# Altium PCB HYDRA_V3_LINK_V2.PcbDoc (part 1 of 2) (continued)
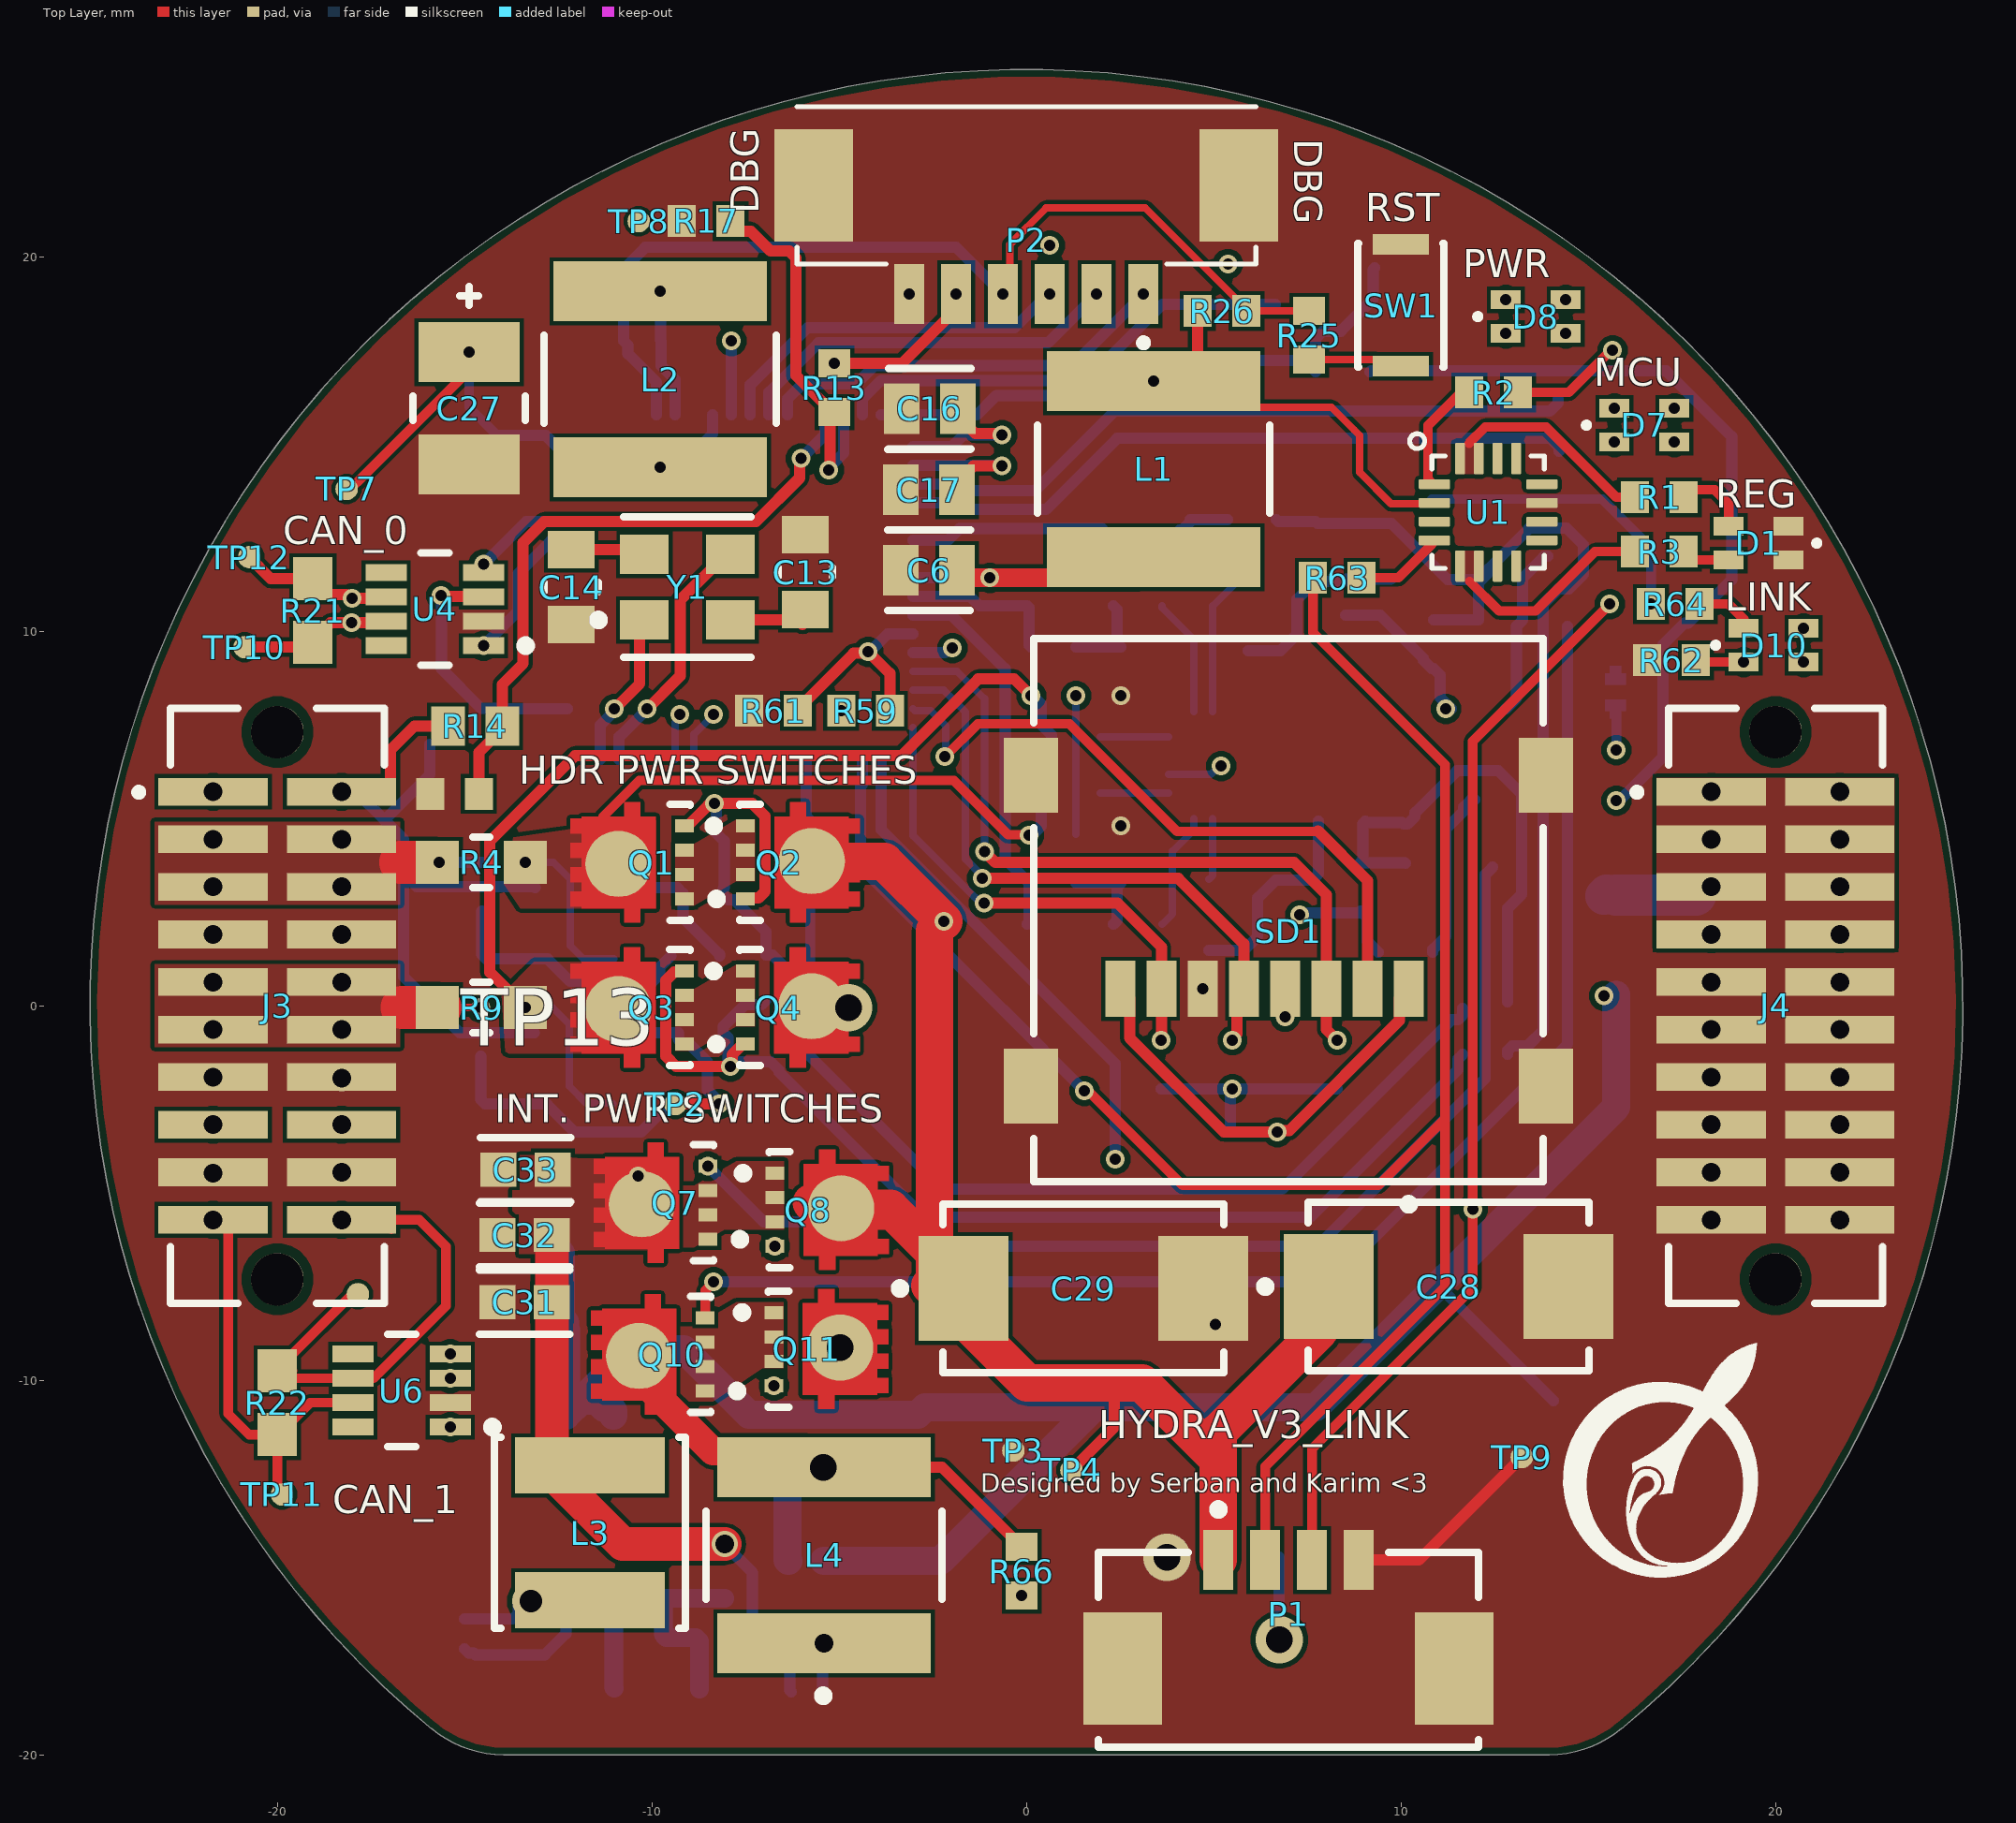
[diagram p0: Top Layer view]
## Components (designator, comment, footprint, x,y, rotation, side; value= is the part's Value field where it differs from the comment)
C1 "C0402C104K8PACTU" FP-C0402-BB-MFG -14.825,1.25 r180 bottom value="0.10 μF"
C2 "C0402C104K8PACTU" FP-C0402-BB-MFG -14.85,-2.625 r180 bottom value="0.10 μF"
C3 "C0402C104K8PACTU" FP-C0402-BB-MFG -7.875,18.15 r90 bottom value="0.10 μF"
C4 "GRM155R60J475ME47D" FP-GRM155-0_1-IPC_B -9.35,19.075 r180 bottom
C5 "C0402C104K8PACTU" FP-C0402-BB-MFG -9.35,17.75 r0 bottom value="0.10 μF"
C6 "C0805C106K8PACTU" FP-C0805C-DG-MFG -2.6,11.625 r180 top value=10uF
C7 "C0402C104K8PACTU" FP-C0402-BB-MFG -14.125,14.825 r270 bottom value="0.10 μF"
C8 "C0402C104K8PACTU" FP-C0402-BB-MFG -16.025,10.95 r0 bottom value="0.10 μF"
C9 "C0402C104K8PACTU" FP-C0402-BB-MFG -0.975,11.825 r90 bottom value="0.10 μF"
C10 "C0402C104K8PACTU" FP-C0402-BB-MFG -16.025,-10.275 r0 bottom value="0.10 μF"
C11 "C0402C104K8PACTU" FP-C0402-BB-MFG -14.125,7.525 r270 bottom value="0.10 μF"
C12 "C0402C104K8PACTU" FP-C0402-BB-MFG -6.175,4.9 r180 bottom value="0.10 μF"
C13 "08051A6R8CAT2A" FP-0805-L_2_01_0_2-W_1_25-MFG -5.9,11.573 r90 top
C14 "08051A6R8CAT2A" FP-0805-L_2_01_0_2-W_1_25-MFG -12.15,11.175 r270 top
C15 "C0402C104K8PACTU" FP-C0402-BB-MFG -11.15,17.75 r180 bottom value="0.10 μF"
C16 "C0805C180J5GACTU" FP-C0805C-DN-MFG -2.582,15.945 r180 top value="18 pF"
C17 "C0805C180J5GACTU" FP-C0805C-DN-MFG -2.6,13.775 r180 top value="18 pF"
C18 "C0402C104K8PACTU" FP-C0402-BB-MFG 6.905,-0.7 r270 bottom value="0.10 μF"
C19 "C0402C104K8PACTU" FP-C0402-BB-MFG -15,-16.775 r90 bottom value="0.10 μF"
C20 "CL10A106MA8NRNC" FP-CL10-IPC_B -13.15,-8.375 r180 bottom
C21 "C0603C224M3RACTU" FP-C0603C-CF-IPC_B -13.175,-6.6 r180 bottom
C22 "C0402C104K8PACTU" FP-C0402-BB-MFG -5.875,-18.325 r0 bottom value="0.10 μF"
C23 "C0805C106K8PACTU" FP-C0805C-DG-MFG -2.5,-15.575 r270 bottom value=10uF
C24 "GRM21BR61E226ME44L" FP-GRM21B-0_2-e0_2_0_7-IPC_B -7.225,-12.325 r180 bottom
C25 "GRM21BR61E226ME44L" FP-GRM21B-0_2-e0_2_0_7-IPC_B -3.625,-12.325 r0 bottom
C26 "6TPE120MAZB" FP-POSCAP-B2-MFG 5.25,-14.725 r0 bottom
C27 "6TPE120MAZB" FP-POSCAP-B2-MFG -14.88,15.95 r90 top
C28 "875035119002" WCAP-PHLE_L7.3W4.3H1.9 -1258.725,-1277.5 r180 top
C29 "875035119002" WCAP-PHLE_L7.3W4.3H1.9 -1268.475,-1277.55 r180 top
C30 "C0603C101M3RACAUTO" FP-C0603C-CF-IPC_B -8.05,-15.1 r270 bottom
C31 "CL10A226MO7JZNC" FP-CL10-IPC_B -13.398,-7.919 r180 top
C32 "CL10A226MO7JZNC" FP-CL10-IPC_B -13.398,-6.121 r180 top
C33 "CL10A226MO7JZNC" FP-CL10-IPC_B -13.375,-4.375 r180 top
C34 "Capacitor 1uF +/- 10% 16V 0603" CAPC1608X90X35ML15T15 -11.725,-18.225 r180 bottom value=1µF
D1 "150066RG54050" WL-SBCD_0606 19.55,12.35 r270 top
D2 "TS4148RCG" TS4148RCG-Footprint-1 12.25,-1.3 r0 bottom
D3 "TS4148RCG" TS4148RCG-Footprint-1 12.25,-0.075 r0 bottom
D4 "TS4148RCG" TS4148RCG-Footprint-1 -8.698,3.125 r180 bottom
D5 "TS4148RCG" TS4148RCG-Footprint-1 -6.95,0.75 r270 bottom
D6 "TS4148RCG" TS4148RCG-Footprint-1 -8.694,-0.725 r180 bottom
D7 "150066RG54050" WL-SBCD_0606 16.5,15.5 r90 top locked
D8 "150066RG54050" WL-SBCD_0606 13.6,18.4 r90 top locked
D9 "5.1V Zener" BZX884B5V1L-HG3-08-Footprint-1 15.725,8.375 r270 bottom
D10 "150066RG54050" WL-SBCD_0606 19.95,9.625 r90 top
F1 "0466005.NR" FP-0466-MFG 15.75,1.625 r270 bottom value=0.011Ω
J1 "SFML-110-02-L-D-A" SFML-110-02-L-D-A-Footprint-1 -20,0 r270 bottom locked
J2 "SFML-110-02-L-D-A" SFML-110-02-L-D-A-Footprint-1 20,0 r270 bottom locked
J3 "TFML-110-02-L-D-A" TFML-110-02-L-D-A-Footprint-1#1 -20,0 r270 top locked
J4 "TFML-110-02-L-D-A" TFML-110-02-L-D-A-Footprint-1#2 20,0 r270 top locked
L1 "NR6028T100M" FP-NR6028-MFG 3.4,14.325 r270 top
L2 "NR6028T100M" FP-NR6028-MFG -9.779,16.725 r90 top
L3 "NRS5030T3R3MMGJ" FP-NRS5030-H_3_1-MFG -11.65,-14.075 r90 top
L4 "1255AY-3R9N=P3" FP-DG6045C-MFG -5.4,-14.675 r90 top
P1 "53261-0471" MOLEX-53261-0471_V 7,-16.25 r0 top
P2 "0532610671" 0532610671-Footprint-1 0,19 r180 top locked
Q1 "SISH615ADN-T1-GE3" SISH615ADN-T1-GE3-Footprint-1 -10.525,3.788 r90 top
Q2 "SISH615ADN-T1-GE3" SISH615ADN-T1-GE3-Footprint-1 -6.1,3.863 r270 top
Q3 "SISH615ADN-T1-GE3" SISH615ADN-T1-GE3-Footprint-1 -10.53,-0.088 r90 top
Q4 "SISH615ADN-T1-GE3" SISH615ADN-T1-GE3-Footprint-1 -6.105,-0.013 r270 top
Q5 "BSS138W-7-F" DIOD-SOT323-3_V 11.025,5.5 r0 bottom
Q6 "BSS138W-7-F" DIOD-SOT323-3_V 12.975,12 r0 bottom
Q7 "SISH615ADN-T1-GE3" SISH615ADN-T1-GE3-Footprint-1 -9.9,-5.3 r90 top
Q8 "SISH615ADN-T1-GE3" SISH615ADN-T1-GE3-Footprint-1 -5.319,-5.41 r270 top
Q9 "BSS138W-7-F" DIOD-SOT323-3_V 9.875,13.525 r0 bottom
Q10 "SISH615ADN-T1-GE3" SISH615ADN-T1-GE3-Footprint-1 -9.975,-9.35 r90 top
Q11 "SISH615ADN-T1-GE3" SISH615ADN-T1-GE3-Footprint-1 -5.343,-9.128 r270 top
R1 "ERJ-3EKF3300V" RESC1608X55X30LL15T15#1 16.9,13.575 r0 top
R2 "ERJ3EKF1002V" RESC1609X55X30LL15T15 12.475,16.375 r0 top
R3 "ERJ-3EKF3300V" RESC1608X55X30LL15T15#1 16.9,12.125 r0 top
R4 "ERJ-6DSFR10V" FP-ERJ6D-MFG -14.555,3.825 r0 top
R5 "ERJ3EKF1002V" RESC1609X55X30LL15T15 -14.548,3.175 r90 bottom
R6 "ERJ3EKF1002V" RESC1609X55X30LL15T15 -6.875,-2.15 r90 bottom
R7 "ERJ3EKF1002V" RESC1609X55X30LL15T15 -8.7,4.425 r0 bottom
R8 "RT0603BRD071ML" RESC1608X55X30NL20T20 -8.848,1.325 r180 bottom
R9 "ERJ-6DSFR10V" FP-ERJ6D-MFG -14.555,-0.05 r0 top
R10 "ERJ3EKF1002V" RESC1609X55X30LL15T15 -14.569,-0.7 r90 bottom
R11 "RT0603BRD071ML" RESC1608X55X30NL20T20 -8.875,-2.625 r180 bottom
R12 "ERJ3EKF1002V" RESC1609X55X30LL15T15 5.375,19.375 r90 bottom
R13 "ERJ3EKF1002V" RESC1609X55X30LL15T15 -5.125,16.5 r90 top
R14 "ERJ-3EKF1003V" RESC1608X55X30ML15T15 -14.723,7.462 r180 top
R15 "ERJ-3EKF1003V" RESC1608X55X30ML15T15 8.45,16.923 r0 bottom
R16 "ERJ3EKF1002V" RESC1609X55X30LL15T15 7.3,18.725 r180 bottom
R17 "ERJ3EKF1002V" RESC1609X55X30LL15T15 -8.55,20.95 r0 top
R18 "ERJ3EKF1002V" RESC1609X55X30LL15T15 -15.273,5.66 r0 top
R19 "ERJ3EKF1002V" RESC1609X55X30LL15T15 9.3,20.35 r270 bottom
R20 "ERJ3EKF1002V" RESC1609X55X30LL15T15 0.625,19.65 r90 bottom
R21 "ERJ-3EKF1200V" RESC1609X55X30ML15T15 -19.05,10.55 r270 top
R22 "ERJ-3EKF1200V" RESC1609X55X30ML15T15 -20,-10.6 r270 top
R23 "CRCW060351R0FKEA" FP-CRCW0603-e3-MFG 14.966,14.805 r180 bottom locked
R24 "CRCW060351R0FKEA" FP-CRCW0603-e3-MFG 14.95,16.2 r180 bottom locked
R25 "ERJ-3EKF3300V" RESC1608X55X30LL15T15#1 7.55,17.9 r270 top
R26 "ERJ3EKF1002V" RESC1609X55X30LL15T15 5.225,18.55 r0 top
R27 "ERJ-3EKF3300V" RESC1608X55X30LL15T15#1 12.15,17.8 r180 bottom
R28 "CRCW060351R0FKEA" FP-CRCW0603-e3-MFG 12.05,19.075 r180 bottom
R29 "ERJ3EKF1002V" RESC1609X55X30LL15T15 5.5,-1.575 r270 bottom
R30 "ERJ3EKF1002V" RESC1609X55X30LL15T15 8.3,-1.575 r270 bottom
R31 "ERJ3EKF1002V" RESC1609X55X30LL15T15 3.6,-1.575 r270 bottom
R32 "ERJ3EKF1002V" RESC1609X55X30LL15T15 6.05,-3.375 r180 bottom
R33 "ERJ3EKF1002V" RESC1609X55X30LL15T15 8.925,3.175 r90 bottom
R34 "ERJ-3EKF1001V" RESC1608X55X30LL15T15#2 8.425,4.925 r180 bottom
R35 "ERJ3EKF1002V" RESC1609X55X30LL15T15 1.325,3.925 r270 bottom
R36 "ERJ3EKF1002V" RESC1609X55X30LL15T15 2.975,2.175 r180 bottom
R37 "ERJ3EKF1002V" RESC1609X55X30LL15T15 10.125,3.15 r270 bottom
R38 "ERJ3EKF1002V" RESC1609X55X30LL15T15 1.325,5.675 r180 bottom
R39 "ERJ3EKF1002V" RESC1609X55X30LL15T15 2.525,3.925 r90 bottom
R40 "ERJ3EKF3901V" RESC1608X55X30ML15T15 10.125,1.425 r180 bottom
R41 "ERJ3EKF1002V" RESC1609X55X30LL15T15 0.125,3.925 r90 bottom
R42 "ERJ-3EKF1001V" RESC1608X55X30LL15T15#2 11.825,3.7 r0 bottom
R43 "ERJ3EKF1002V" RESC1609X55X30LL15T15 0.675,2.175 r180 bottom
R44 "ERJ3EKF1002V" RESC1609X55X30LL15T15 6.025,12.975 r0 bottom
R45 "ERJ3EKF1002V" RESC1609X55X30LL15T15 3.725,12.975 r0 bottom
R46 "ERJ3EKF1002V" RESC1609X55X30LL15T15 10.875,9.65 r90 bottom
R47 "ERJ-3EKF1001V" RESC1608X55X30LL15T15#2 10.375,11.4 r180 bottom
R48 "ERJ3EKF1002V" RESC1609X55X30LL15T15 1.325,8.925 r90 bottom
R49 "ERJ3EKF1002V" RESC1609X55X30LL15T15 2.975,10.675 r180 bottom
R50 "ERJ3EKF1002V" RESC1609X55X30LL15T15 12.075,9.65 r270 bottom
R51 "ERJ3EKF1002V" RESC1609X55X30LL15T15 1.325,7.175 r180 bottom
R52 "ERJ3EKF1002V" RESC1609X55X30LL15T15 2.525,8.925 r270 bottom
R53 "ERJ3EKF3901V" RESC1608X55X30ML15T15 12.075,7.925 r180 bottom
R54 "ERJ3EKF1002V" RESC1609X55X30LL15T15 0.125,8.925 r270 bottom
R55 "ERJ-3EKF1001V" RESC1608X55X30LL15T15#2 13.775,10.2 r0 bottom
R56 "ERJ3EKF1002V" RESC1609X55X30LL15T15 0.675,10.675 r180 bottom
R57 "ERJ-3EKF1401V" RESC1608X55X30NL15T15 15.75,6.15 r270 bottom
R58 "ERJ-3EKF1003V" RESC1608X55X30LL15T15#2 -8.1,-17.05 r0 bottom
R59 "ERJ3EKF1002V" RESC1609X55X30LL15T15 -4.298,7.875 r180 top
R60 "ERJ-3EKF2492V" RESC1608X55X30LL15T15#2 -8.1,-18.25 r180 bottom
R61 "ERJ3EKF1002V" RESC1609X55X30LL15T15 -6.75,7.875 r0 top
R62 "ERJ-3EKF3300V" RESC1608X55X30LL15T15#1 17.225,9.225 r180 top
R63 "ERJ3EKF1002V" RESC1609X55X30LL15T15 8.3,11.425 r180 top
R64 "ERJ-3EKF3300V" RESC1608X55X30LL15T15#1 17.325,10.725 r180 top
R65 "ERJ3EKF1002V" RESC1609X55X30LL15T15 7.775,13.525 r270 bottom
R66 "ERJ3EKF1002V" RESC1609X55X30LL15T15 -0.125,-15.1 r90 top
R67 "ERJ3EKF1002V" RESC1609X55X30LL15T15 -0.125,-15.1 r270 bottom
SD1 "47219-2001" MOLX-47219-2001-8_V 7,2 r180 top
SW1 "KXT331LHS" FP-KXT331LHS-MFG 10,18.7 r90 top locked
TP1 "TPAD6R" TP06R#1 -10.893,4.672 r90 bottom
TP2 "TPAD6R" TP06R#1 -9.375,-2.625 r90 top
TP3 "TPAD6R" TP06R#1 -0.35,-11.875 r90 top
TP4 "TPAD6R" TP06R#1 1.2,-12.4 r90 top
TP5 "TPAD6R" TP06R#1 -15.925,6.975 r90 bottom
TP6 "TPAD6R" TP06R#1 14.075,-10.55 r90 bottom
TP7 "TPAD6R" TP06R#2 -18.15,13.8 r90 top
TP8 "TPAD6R" TP06R#1 -10.352,20.95 r90 top
TP9 "TPAD6R" TP06R#1 13.225,-12.05 r90 top
TP10 "TPAD6R" TP06R#1 -20.875,9.575 r90 top
TP11 "TPAD6R" TP06R#1 -19.875,-13.05 r90 top
TP12 "TPAD6R" TP06R#1 -20.752,11.978 r90 top
TP13 "TPAD6R" TP06R#3 -14.85,-2.35 r90 top locked
U1 "LM2902Q4T" LM2902Q4T-Footprint-1 12.325,13.175 r0 top
U2 "TLV1805DBVR" FP-DBV0006A-IPC_C -12.073,2.2 r180 bottom
U3 "TLV1805DBVR" FP-DBV0006A-IPC_C -12.096,-1.675 r180 bottom
U4 "TCAN330GDCNR" FP-DCN0008A-MFG -15.797,10.588 r180 top
U5 "SAM_E51_64VQFN" SAM_E51_64VQFN-Footprint-1 -3.875,6.575 r180 bottom
U6 "TCAN330GDCNR" FP-DCN0008A-MFG -16.685,-10.275 r180 top
U7 "SN74LVC1G373DBVR" FP-DBV0006A-MFG 6.175,2.425 r0 bottom
U8 "LM2902Q4T" LM2902Q4T-Footprint-1 5.225,6.425 r0 bottom
U9 "SN74LVC1G373DBVR" FP-DBV0006A-MFG 7.225,10.425 r0 bottom
U10 "LMR33640DDDAR" FP-DDA0008J-IPC_A -11.66,-13.423 r270 bottom
U11 "AP63203WU-7" FP-TSOT26-MFG -5.4,-15.926 r270 bottom
Y1 "ABM8-48.000MHZ-B2-T" FP-ABM8-MFG -9.05,11.175 r0 top
Y2 "ECS-.327-12.5-1210-TR" FP-ECX-1210-MFG -0.65,14.825 r270 bottom

## Footprints (in the part's own frame and the unit in brackets; to place one, negate y for a bottom-side part, rotate by r counter-clockwise, add the part's x,y. Pads: shape width x height; smd on the part's side, far side on the other; paste and mask are expansions set on the pad)
0532610671-Footprint-1 [mm]
  rect 0.8x1.6 smd: 1(-3.125,0) 2(-1.875,0) 3(-0.625,0) 4(0.625,0) 5(1.875,0) 6(3.125,0)
  rect 2.1x3 smd: S1(-5.675,-2.9) S2(5.675,-2.9)
  silkscreen extent -6.12,-5 6.12,1.4
BZX884B5V1L-HG3-08-Footprint-1 [mil]
  round 1 smd mask+4: 1(-17.72,0) 2(17.72,0)
  Top Layer region: 27.56,5.91 19.68,5.91 19.68,10.83 7.87,10.83 7.87,-10.83 19.68,-10.83 19.68,-5.91 27.56,-5.91
  Top Layer region: -27.56,-5.91 -19.69,-5.91 -19.69,-10.83 -7.87,-10.83 -7.87,10.83 -19.69,10.83 -19.69,5.91 -27.56,5.91
  silkscreen extent -39,-24 48,32, body extent -21,-13 21,13, height 20
CAPC1608X90X35ML15T15 [mm] "Chip Capacitor, 2-Leads, Body 1.75x0.95mm, IPC Low Density"
  rect 1x1.1 smd: 1(-0.725,0) 2(0.725,0)
  body extent -0.87,-0.48 0.87,0.48, height 0.9
DIOD-SOT323-3_V [mm] "SOT323, 3-Leads, Body 2.2x1.35mm, Pitch 0.65mm"
  rect 0.9x0.7 smd: 1(-0.95,0.65) 2(-0.95,-0.65) 3(0.95,0)
  silkscreen extent -1.07,-1.1 0.67,1.67, body extent -1.1,-1.1 1.1,1.1, height 1.07
FP-0466-MFG [mil]
  rect 45x80 smd paste+0 mask+0: 1(-52.5,0) 2(52.5,0)
  silkscreen extent -15,-32 15,32, body extent -62,-30 63,30, height 26
FP-0805-L_2_01_0_2-W_1_25-MFG [mm]
  rect 1x1.25 smd paste+0 mask+0: 1(-1,0) 2(1,0)
  silkscreen extent -0.13,-0.72 0.13,0.72, body extent -1.6,-0.82 1.6,0.82, height 0.25
FP-ABM8-MFG [mm]
  rect 1.3x1.05 smd paste+0 mask+0: 1(-1.15,-0.875) 2(1.15,-0.875) 3(1.15,0.875) 4(-1.15,0.875)
  silkscreen extent -2.5,-1.88 1.7,1.88, body extent -1.9,-1.5 1.9,1.5, height 0.25
FP-C0402-BB-MFG [mm]
  rect 0.52x0.52 smd paste+0 mask+0: 1(-0.4,0) 2(0.4,0)
  silkscreen extent -0.5,-0.64 0.5,0.64, body extent -0.5,-0.25 0.5,0.25, height 0.55
FP-C0603C-CF-IPC_B [mm]
  rect 1.007x0.958 smd paste+0 mask+0: 1(-0.726,0) 2(0.726,0)
  silkscreen extent -1.23,-0.88 1.23,0.88, body extent -0.8,-0.4 0.8,0.4, height 0.87
FP-C0805C-DG-MFG [mm]
  rect 0.95x1.35 smd paste+0 mask+0: 1(-0.75,0) 2(0.75,0)
  silkscreen extent -1.11,-1.08 1.1,1.07, body extent -1,-0.63 1,0.63, height 1.4
FP-C0805C-DN-MFG [mm]
  rect 0.95x1.35 smd paste+0 mask+0: 1(-0.75,0) 2(0.75,0)
  silkscreen extent -1.1,-1.07 1.1,1.07, body extent -1.4,-0.85 1.4,0.85, height 0.25
FP-CL10-IPC_B [mm]
  rect 0.958x0.912 smd paste+0 mask+0: 1(-0.727,0) 2(0.727,0)
  silkscreen extent -1.21,-0.86 1.21,0.86, body extent -0.8,-0.4 0.8,0.4, height 0.9
FP-CRCW0603-e3-MFG [mm]
  rect 0.75x1 smd paste+0 mask+0: 1(-0.75,0) 2(0.75,0)
  silkscreen extent -0.8,-0.9 0.8,0.9, body extent -0.77,-0.43 0.77,0.43, height 0.5
FP-DBV0006A-IPC_C [mm]
  rect 1.205x0.53 smd paste+0 mask+0: 1(-1.05,0.95)
  rrect100% 1.205x0.53 smd paste+0 mask+0: 2(-1.05,0) 3(-1.05,-0.95) 4(1.05,-0.95) 5(1.05,0) 6(1.05,0.95)
  silkscreen extent -2.33,-1.45 0.05,1.45, body extent -1.4,-1.45 1.4,1.45, height 1.45
FP-DBV0006A-MFG [mm]
  rrect17% 1.1x0.6 smd paste+0 mask+0: 1(-1.3,0.95) 2(-1.3,0) 3(-1.3,-0.95) 4(1.3,-0.95) 5(1.3,0) 6(1.3,0.95)
  silkscreen extent -2.62,-1.53 0.45,1.53, body extent -1.4,-1.45 1.4,1.45, height 1.45
FP-DCN0008A-MFG [mm]
  rect 1.1x0.45 smd paste+0 mask+0: 1(-1.3,0.975) 2(-1.3,0.325) 3(-1.3,-0.325) 4(-1.3,-0.975) 5(1.3,-0.975) 6(1.3,-0.325) 7(1.3,0.325) 8(1.3,0.975)
  silkscreen extent -2.55,-1.5 0.38,1.5, body extent -1.95,-1.85 1.95,1.85, height 0.25
FP-DDA0008J-IPC_A [mm]
  rect 2.353x0.622 smd paste+0 mask+0: 1(-2.477,1.905)
  rrect100% 2.353x0.622 smd paste+0 mask+0: 2(-2.477,0.635) 3(-2.477,-0.635) 4(-2.477,-1.905) 5(2.477,-1.905) 6(2.477,-0.635) 7(2.477,0.635) 8(2.477,1.905)
  rect 2.3x3.1 smd paste-1000 mask+0: 9(0,0)
  silkscreen extent -4.37,-2.45 0.75,2.45, body extent -3,-2.45 3,2.45, height 1.7
FP-DG6045C-MFG [mm]
  rect 1.6x5.7 smd paste+0 mask+0: 1(-2.35,0) 2(2.35,0)
  silkscreen extent -3.87,-3.15 1.17,3.15, body extent -3.25,-3.25 3.25,3.25, height 0.25
FP-ECX-1210-MFG [mm]
  rect 0.575x1.14 smd paste+0 mask+0: 1(-0.413,0) 2(0.413,0)
  silkscreen extent -0.65,-0.95 0.65,0.95, body extent -0.6,-0.5 0.6,0.5, height 0.5
FP-ERJ6D-MFG [mm]
  rect 1.15x1.15 smd paste+0 mask+0: 1(-1.175,0) 2(1.175,0)
  silkscreen extent -0.23,-0.67 0.23,0.67, body extent -1.85,-0.77 1.85,0.77, height 0.25
FP-GRM21B-0_2-e0_2_0_7-IPC_B [mm]
  rect 1.255x1.456 smd paste+0 mask+0: 1(-0.826,0) 2(0.826,0)
  silkscreen extent -1.45,-1.13 1.45,1.13, body extent -1,-0.63 1,0.63, height 1.45
FP-GRM155-0_1-IPC_B [mm]
  rect 0.615x0.572 smd paste+0 mask+0: 1(-0.429,0) 2(0.429,0)
  silkscreen extent -0.74,-0.69 0.74,0.69, body extent -0.5,-0.25 0.5,0.25, height 0.6
FP-KXT331LHS-MFG [mm]
  rect 0.55x1.5 smd paste+0 mask+0: 1(-1.625,0) 2(1.625,0)
  silkscreen extent -1.65,-1.15 1.65,1.15, body extent -2,-1.25 2,1.25, height 0.25
FP-NR6028-MFG [mm]
  rect 1.6x5.7 smd paste+0 mask+0: 1(-2.35,0) 2(2.35,0)
  silkscreen extent -1.17,-3.1 1.17,3.1, body extent -3.25,-3.2 3.25,3.2, height 0.25
FP-NRS5030-H_3_1-MFG [mm]
  rect 1.5x4 smd paste+0 mask+0: 1(-1.8,0) 2(1.8,0)
  silkscreen extent -2.55,-2.55 2.55,2.55, body extent -2.65,-2.65 2.65,2.65, height 0.25
FP-POSCAP-B2-MFG [mm]
  rect 1.6x2.7 smd paste+0 mask+0: 1(-1.5,0) 2(1.5,0)
  silkscreen extent -0.33,-1.5 3.25,1.5, body extent -1.75,-1.4 1.75,1.4, height 2
FP-TSOT26-MFG [mm]
  rect 1x0.7 smd paste+0 mask+0: 1(-1.099,0.95) 2(-1.099,0) 3(-1.099,-0.95) 4(1.099,-0.95) 5(1.099,0) 6(1.099,0.95)
  silkscreen extent -2.32,-1.5 0.22,1.5, body extent -1.4,-1.45 1.4,1.45, height 1
LM2902Q4T-Footprint-1 [mm]
  rrect25% 0.84x0.26 smd: 1(-1.435,0.75) 2(-1.435,0.25) 3(-1.435,-0.25) 4(-1.435,-0.75) 9(1.435,-0.75) 10(1.435,-0.25) 11(1.435,0.25) 12(1.435,0.75)
  rrect25% 0.26x0.84 smd: 5(-0.75,-1.435) 6(-0.25,-1.435) 7(0.25,-1.435) 8(0.75,-1.435) 13(0.75,1.435) 14(0.25,1.435) 15(-0.25,1.435) 16(-0.75,1.435)
  silkscreen extent -2.09,-1.5 1.5,2.1
MOLEX-53261-0471_V [mm] "SMD, 4-Leads, Body 10.15x5.2mm, Pitch 1.25mm"
  rect 0.8x1.6 smd: 1(-1.875,1.45) 2(-0.625,1.45) 3(0.625,1.45) 4(1.875,1.45)
  rect 2.1x3 smd: MP1(-4.425,-1.45) MP2(4.425,-1.45)
  silkscreen extent -5.08,-3.55 5.08,2.93, body extent -5.08,-3.55 5.07,1.65, height 3.4
MOLX-47219-2001-8_V [mm] "CONN, 8-Leads, Body 14.5x13.6mm, Pitch 1.1mm"
  rect 0.8x1.5 smd: 1(-3.205,1.55) 2(-2.105,1.55) 3(-1.005,1.55) 4(0.095,1.55) 5(1.195,1.55) 6(2.295,1.55) 7(3.395,1.55) 8(4.495,1.55)
  rect 1.45x2 smd: 9(6.875,4.15) 10(6.875,-4.15) 11(-6.875,-4.15) 12(-6.875,4.15)
  silkscreen extent -6.8,-7.8 6.8,7.42, body extent -7.3,-7.79 7.3,6.71, height 1.91
RESC1608X55X30LL15T15#1 [mm] "Chip Resistor, 2-Leads, Body 1.75x0.95mm, IPC High Density"
  rect 0.75x0.85 smd: 1(-0.65,0) 2(0.65,0)
  body extent -0.87,-0.48 0.87,0.48, height 0.55
RESC1608X55X30LL15T15#2 [mm] "Chip Resistor, 2-Leads, Body 1.60x0.80mm, IPC High Density"
  rect 0.7x0.85 smd: 1(-0.625,0) 2(0.625,0)
  body extent -0.87,-0.48 0.87,0.48, height 0.55
RESC1608X55X30ML15T15 [mm] "Chip Resistor, 2-Leads, Body 1.60x0.80mm, IPC Low Density"
  rect 0.9x1.05 smd: 1(-0.725,0) 2(0.725,0)
  body extent -0.87,-0.48 0.87,0.48, height 0.55
RESC1608X55X30NL15T15 [mm] "Chip Resistor, 2-Leads, Body 1.60x0.80mm, IPC Medium Density"
  rect 0.8x0.95 smd: 1(-0.675,0) 2(0.675,0)
  body extent -0.87,-0.48 0.87,0.48, height 0.55
RESC1608X55X30NL20T20 [mm] "Chip Resistor, 2-Leads, Body 1.60x0.80mm, IPC Medium Density"
  rect 0.9x1 smd: 1(-0.65,0) 2(0.65,0)
  body extent -0.9,-0.5 0.9,0.5, height 0.55
RESC1609X55X30LL15T15 [mm] "Chip Resistor, 2-Leads, Body 1.75x0.95mm, IPC High Density"
  rect 0.75x0.85 smd: 1(-0.65,0) 2(0.65,0)
  body extent -0.87,-0.48 0.87,0.48, height 0.55
RESC1609X55X30ML15T15 [mm] "Chip Resistor, 2-Leads, Body 1.75x0.95mm, IPC Low Density"
  rect 1.15x1.05 smd: 1(-0.85,0) 2(0.85,0)
  body extent -0.87,-0.48 0.87,0.48, height 0.55
SAM_E51_64VQFN-Footprint-1 [mm]
  rect 0.85x0.3 smd: 1(-0.85,8.35) 2(-0.85,7.85) 3(-0.85,7.35) 4(-0.85,6.85) 5(-0.85,6.35) 6(-0.85,5.85) 7(-0.85,5.35) 8(-0.85,4.85) 9(-0.85,4.35) 10(-0.85,3.85) 11(-0.85,3.35) 12(-0.85,2.85) 13(-0.85,2.35) 14(-0.85,1.85) 15(-0.85,1.35) 16(-0.85,0.85) 33(8.382,0.85) 34(8.382,1.35) 35(8.382,1.85) 36(8.382,2.35) 37(8.382,2.85) 38(8.382,3.35) 39(8.382,3.85) 40(8.382,4.35) 41(8.382,4.85) 42(8.382,5.35) 43(8.382,5.85) 44(8.382,6.35) 45(8.382,6.85) 46(8.382,7.35) 47(8.382,7.85) 48(8.382,8.35)
  rect 0.3x0.85 smd: 17(0,0) 18(0.5,0) 19(1,0) 20(1.5,0) 21(2,0) 22(2.5,0) 23(3,0) 24(3.5,0) 25(4,0) 26(4.5,0) 27(5,0) 28(5.5,0) 29(6,0) 30(6.5,0) 31(7,0) 32(7.5,0) 49(7.5,9.2) 50(7,9.2) 51(6.5,9.2) 52(6,9.2) 53(5.5,9.2) 54(5,9.2) 55(4.5,9.2) 56(4,9.2) 57(3.5,9.2) 58(3,9.2) 59(2.5,9.2) 60(2,9.2) 61(1.5,9.2) 62(1,9.2) 63(0.5,9.2) 64(0,9.2)
  rect 4.7x4.7 smd: 65(3.75,4.6)
SFML-110-02-L-D-A-Footprint-1 [mm]
  rect 0.74x2.22 smd: 01(-5.715,1.365) 02(-5.715,-1.365) 03(-4.445,1.365) 04(-4.445,-1.365) 05(-3.175,1.365) 06(-3.175,-1.365) 07(-1.905,1.365) 08(-1.905,-1.365) 09(-0.635,1.365) 10(-0.635,-1.365) 11(0.635,1.365) 12(0.635,-1.365) 13(1.905,1.365) 14(1.905,-1.365) 15(3.175,1.365) 16(3.175,-1.365) 17(4.445,1.365) 18(4.445,-1.365) 19(5.715,1.365) 20(5.715,-1.365)
  round 1.4 hole 1.4 unplated: ""(-7.305,0) ""(7.305,0)
  silkscreen extent -6.54,-1.53 6.54,3.17
SISH615ADN-T1-GE3-Footprint-1 [mm]
  rect 0.35x0.5 smd paste+0 mask+0: 1(-0.937,-1.4) 2(-0.288,-1.4) 3(0.363,-1.4) 4(1.012,-1.4)
  round 1.769 smd paste+0 mask+0: 5-6-7-8(0,0.367)
  Top Layer region: -1.187,-0.63 -1.187,-0.215 -1.568,-0.215 -1.568,0.215 -1.187,0.215 -1.187,1.35 -1.137,1.35 -1.137,1.65 -0.737,1.65 -0.737,1.35 -0.487,1.35 -0.487,1.65 -0.088,1.65 -0.088,1.35 0.163,1.35 0.163,1.65 0.563,1.65 0.563,1.35 0.813,1.35 0.813,1.65 1.212,1.65 1.212,1.35 1.262,1.35 1.262,0.215 1.643,0.215 1.643,-0.215 1.262,-0.215 1.262,-0.63
  silkscreen extent -1.51,-2.38 1.59,-1.01, body extent -1.67,-1.75 1.74,1.75, height 0.25
TFML-110-02-L-D-A-Footprint-1#1 [mm]
  rect 0.74x2.92 smd: 01(-5.715,-1.715) 02(-5.715,1.715) 03(-4.445,-1.715) 04(-4.445,1.715) 05(-3.175,-1.715) 06(-3.175,1.715) 07(-1.905,-1.715) 08(-1.905,1.715) 10(-0.635,1.715) 11(0.635,-1.715) 12(0.635,1.715) 13(1.905,-1.715) 14(1.905,1.715) 15(3.175,-1.715) 16(3.175,1.715) 17(4.445,-1.715) 18(4.445,1.715) 19(5.715,-1.715) 20(5.715,1.715) ""(-0.635,-1.715)
  round 1.4 hole 1.4 unplated: ""(-7.305,0) ""(7.305,0)
  silkscreen extent -7.94,-3.8 7.94,2.86
TFML-110-02-L-D-A-Footprint-1#2 [mm]
  rect 0.74x2.92 smd: 01(-5.715,-1.715) 02(-5.715,1.715) 03(-4.445,-1.715) 04(-4.445,1.715) 05(-3.175,-1.715) 06(-3.175,1.715) 07(-1.905,-1.715) 08(-1.905,1.715) 09(-0.635,-1.715) 10(-0.635,1.715) 11(0.635,-1.715) 12(0.635,1.715) 13(1.905,-1.715) 14(1.905,1.715) 15(3.175,-1.715) 16(3.175,1.715) 17(4.445,-1.715) 18(4.445,1.715) 19(5.715,-1.715) 20(5.715,1.715)
  round 1.4 hole 1.4 unplated: ""(-7.305,0) ""(7.305,0)
  silkscreen extent -7.94,-3.8 7.94,2.86
TP06R#1 [mm] "Testpoint, round, d=0.6mm"
  round 0.6 smd paste-1: 1(0,0)
TP06R#2 [mm] "Testpoint, round, d=0.6mm"
  round 0.6 smd paste-1: TAP(0,0)
TP06R#3 [mm] "Testpoint, round, d=0.6mm"
  round 0.6 smd paste-1: 1(-5.35,3)
TS4148RCG-Footprint-1 [mm]
  rect 0.55x0.9 smd: A(0.6,0) C(-0.6,0)
  silkscreen extent -1.85,-0.1 -1.65,0.1
WCAP-PHLE_L7.3W4.3H1.9 [mm] "Aluminum Polymer Capacitors, body 7.3x4.3mm"
  rect 2.4x2.8 smd: 1(-1266.8,-1270) 2(-1273.2,-1270)
  silkscreen extent -1273.75,-1272.25 -1264.98,-1267.75, body extent -1273.65,-1272.15 -1266.35,-1267.85, height 1.9
WL-SBCD_0606 [mm] "SMT Bi-color Chip LED Diffuesed, body 1.5x1.6mm"
  rect 0.5x0.8 smd: 1(-0.45,0.8) 2(-0.45,-0.8) 3(0.45,-0.8) 4(0.45,0.8)
  silkscreen extent -0.07,1.48 0.07,1.63, body extent -0.75,-0.8 0.75,0.8, height 0.55

## Part data
C1 C2 C3 C5 C7 C8 C9 C10 C11 C12 C15 C18 C19 C22: library part CMP-2008-02046-2, "CAP CER 0.1UF 10V X5R 0402", Capacitance="0.10 μF", Manufacturer=Kemet, Package=C0402-BB, Temperature="-55°C to +125°C", Temperature Characteristic=X5R, Temperature Coefficient=15%, Temperature Range High=+125°C, Temperature Range Low=-55°C, Tolerance=0.1, Voltage Rating="10 V", Automotive=No, Category=Cap, ComponentLink2Description=Datasheet, ComponentLink2URL=https://content.kemet.com/datasheets/KEM_C1002_X7R_SMD.pdf, Device Class L1="Passive Components", Device Class L2=Capacitors, Device Class L3="Ceramic Capacitors", Digikey Description="CAP CER 0.1UF 10V X5R 0402", Height=0.55mm, Ipc Land Pattern Name=CAPC10050X50, Lead Free=Yes, Manufacturer Part Number=C0402C104K8PACTU, Material=Ceramic, Mouser Description="Capacitor 100 nF 10 VDC 0402", Octopart=https://octopart.com/c0402c104k8pactu-kemet-140039, RoHS=TRUE
C4: library part CMP-2008-04549-2, "Chip Multilayer Ceramic Capacitors for General Purpose, 0402, 4.7uF, X5R, 15%, 20%, 6.3V", Capacitance=4.7uF, Case Code (Imperial)=0402, Case Code (Metric)=1005, Dielectric=X5R, Max Operating Temperature=85°C, Min Operating Temperature=-55°C, Package Quantity=10000, Tolerance=20%, Voltage=6.3V, Case/Package=0402, Contact Plating=Tin, Depth=0.5mm, Height=0.5mm, Lead Free="Lead Free", Length=1mm, Mount="Surface Mount", Packaging="Tape and Reel", REACH SVHC="No SVHC", Termination=SMD/SMT, Thickness=0.022inch, Voltage Rating=6.3V, Voltage Rating (DC)=6.3V, Weight=0.000212oz, Width=0.02inch
C6 C23: library part CMP-2007-03243-2, "CAP CER 10UF 10V X5R 0805", 3DS Part Number=220-00001, Capacitance=10uF, Manufacturer=Kemet, Package=C0805C-DG, Temperature="-55°C to +85°C", Temperature Characteristic=X5R, Temperature Coefficient=15%, Temperature Range High=+85°C, Temperature Range Low=-55°C, Tolerance=10%, Voltage=10V, Automotive=No, Category=Cap, ComponentLink2Description=Datasheet, ComponentLink2URL=https://content.kemet.com/datasheets/KEM_C1006_X5R_SMD.pdf, Device Class L1="Passive Components", Device Class L2=Capacitors, Device Class L3="Ceramic Capacitors", Digikey Description="CAP CER 10UF 10V X5R 0805", Height=1.4mm, Ipc Land Pattern Name=CAPC200125X125, Lead Free=Yes, Manufacturer Part Number=C0805C106K8PACTU, Material=Ceramic, Mouser Description="CAP CER 10UF 10V X5R 0805", Octopart=https://octopart.com/c0805c106k8pactu-kemet-98697, RoHS=TRUE, Voltage Rating=10V
C13 C14: library part CMP-1036-00709-3, "General Purpose Ceramic Capacitor, 0805, 6.8pF, 0.25pF, C0G, 30ppm/°C, 100V", Capacitance=6.8pF, Case Code (Imperial)=0805, Case Code (Metric)=2012, Dielectric=C0G, Dielectric Material=Ceramic, Insulation Resistance=100GR, Max Operating Temperature=125°C, Min Operating Temperature=-55°C, Package Quantity=1, Temperature Coefficient=0ppm/°C, Tolerance=5%, Voltage=100V, Case/Package=0805, Construction=Flat, Contact Plating=Tin, Depth=1.25mm, Dissipation Factor=10%, Height=0.71mm, Lead Free="Lead Free", Length=2.01mm, Mount="Surface Mount", Number of Pins=2, Packaging="Tape and Reel", Radiation Hardening=No, REACH SVHC="No SVHC", RoHS Compliant=Yes, Series=-, Termination=SMD/SMT, Thickness=0.037inch, Voltage Rating=100V, Voltage Rating (DC)=100V, Width=0.049inch
C16 C17: library part CMP-2007-00302-2, "CAP CER 18PF 50V C0G/NP0 0805", Capacitance="18 pF", Manufacturer=KEMET, Package=C0805C-DN, Temperature="-55°C to +125°C", Temperature Characteristic=C0G, Temperature Coefficient=30ppm/°C, Temperature Range High=+125°C, Temperature Range Low=-55°C, Tolerance=0.05, Voltage Rating="50 V", Automotive=No, Category=Cap, ComponentLink2Description=Datasheet, ComponentLink2URL=https://content.kemet.com/datasheets/KEM_C1003_C0G_SMD.pdf, Device Class L1="Passive Components", Device Class L2=Capacitors, Device Class L3="Ceramic Capacitors", Digikey Description="CAP CER 18PF 50V C0G/NP0 0805", Height=0.88mm, Ipc Land Pattern Name=CAPC200125X78, Lead Free=Yes, Manufacturer Part Number=C0805C180J5GACTU, Material=Ceramic, Mouser Description="Cap Ceramic 18pF 50V C0G 5% SMD 0805 125C Paper T/R", Octopart=https://octopart.com/c0805c180j5gactu-kemet-144810, RoHS=TRUE
C20: library part CMP-001-00091-1, "Ceramic Capacitor, Multilayer, Ceramic, 25V, 20% +Tol, 20% -Tol, X5R, 15% TC, 10uF, Surface Mount, 0603"
C21: library part CMP-001-00092-1, "Ceramic Capacitor, Multilayer, Ceramic, 25V, 20% +Tol, 20% -Tol, X7R, 15% TC, 0.22uF, Surface Mount, 0603"
C24 C25: library part CMP-2007-03222-3, "Chip Multilayer Ceramic Capacitors for General Purpose, 0805, 22uF, X5R, 15%, 20%, 25V", Capacitance=22uF, Case Code (Imperial)=0805, Case Code (Metric)=2012, Dielectric=X5R, Max Operating Temperature=85°C, Min Operating Temperature=-55°C, Package Quantity=3000, Resistor Type=Ceramic, Tolerance=20%, Voltage=25V, Case/Package=0805, Depth=1.25mm, Height=1.25mm, Lead Free="Lead Free", Length=2mm, Material=Ceramic, Mount="Surface Mount", Packaging="Tape and Reel", REACH SVHC="No SVHC", Termination=SMD/SMT, Thickness=0.057inch, Voltage Rating=25V, Voltage Rating (DC)=25V, Weight=0.000335oz, Width=1.25mm
C26 C27: library part CMP-05428-000212-1, "Molded Tantalum Polymer Capacitor 120uF 20% 6.3V life 1000Hours SMD 1411", Capacitance=120uF, Case Code (Imperial)=1210, Case Code (Metric)=3528, Case/Package=Molded, ESR (Equivalent Series Resistance)=35mR, Leakage Current=75.6uA, Max Operating Temperature=105°C, Min Operating Temperature=-55°C, Package Quantity=2000, Ripple Current=1.4A, Tolerance=20%, Voltage=6.3V, Construction=Flat, Depth=2.8mm, Dissipation Factor=8%, Features="General Purpose", Height=1.9mm, Height - Seated (Max)=0.079inch, Lead Free="Lead Free", Length=3.5mm, Mount="Surface Mount", Number of Pins=2, Packaging="Tape and Reel", Polarity=Polar, Radiation Hardening=No, REACH SVHC="No SVHC", RoHS Compliant=Yes, Series="POSCAP™ TPE", Termination=SMD/SMT, Voltage Rating=6.3V, Voltage Rating (DC)=6.3V, Width=2.8mm
C28 C29: library part CMP-03913-98099420-1, "875035119002 WCAP-PHLE Aluminum Polymer Capacitors", Capacitance=180µF, ESR (Equivalent Series Resistance)=9mΩ, Leakage Current=113.4µA, Max Operating Temperature=105°C, Min Operating Temperature=-55°C, Ripple Current=6.3A, Voltage Rating=6.3V, Height=1.9mm, Length=7.3mm, NexarPartId=98099420, RoHS=Compliant, Voltage Rating (DC)=6.3V, Width=4.3mm
C30: library part CMP-001-00093-1, "Ceramic Capacitor, Ceramic, 25V, 20% +Tol, 20% -Tol, X7R, 15% TC, 0.0001uF, Surface Mount, 0603"
C31 C32 C33: library part CMP-001-00090-1, "Ceramic Capacitor, Multilayer, Ceramic, 16V, 20% +Tol, 20% -Tol, X5R, 15% TC, 22uF, Surface Mount, 0603"
C34: library part CMP-001-00004-6, "Chip Capacitor, 1 uF, +/- 10%, 16 V, 0603 (1608 Metric)", Capacitor Type=Ceramic, Case/Package=0603, Max Operating Temperature=125°C, Min Operating Temperature=-55°C, Tolerance=10%, Voltage Rating=16V, Mounting Technology=SM, Pins=2, RoHS Compliant=True
D1 D7 D8 D10: library part CMP-004-00034-2, "Led, Red/Grn, 180Mcd/230Mcd, 624Nm/525Nm Rohs Compliant: Yes"
D2 D3 D4 D5 D6: library part CMP-004-00036-1, "SMD Si-Diode 75V 100mA 0603"
D9: library part CMP-004-00040-1, "Diode Zener Single 5.1V 2% 300mW 2-Pin DFN1006 T/R"
F1: library part CMP-08605-000032-1, "FUSE BOARD MNT 5A 32VAC/VDC 1206", Fuse Current=5A, Fuse Interrupt Ac Current=50A, Fuse Voltage Drop=73.75mV, Manufacturer="Littelfuse Inc", Max Fuse Ac Voltage=32V, Package=0466, Resistance=0.011Ω, Temperature="-55°C to +90°C", Temperature Range High=+90°C, Temperature Range Low=-55°C, Automotive=No, Category=Fuse, ComponentLink2Description=Datasheet, ComponentLink2URL=https://www.littelfuse.com/~/media/electronics/datasheets/fuses/littelfuse_fuse_466_datasheet.pdf.pdf, Device Class L1="Circuit Protection", Device Class L2=Fuses, Device Class L3=unset, Digikey Description="FUSE BOARD MNT 5A 32VAC/VDC 1206", Fuse Blow Speed=Fast, Fuse I2T=2.5A2Sec, Fuse Interrupt Dc Current=50A, Height=0.66mm, Lead Free=Yes, Manufacturer Part Number=0466005.NR, Max Fuse Dc Voltage=32V, Mouser Description="Surface Mount Fuses 32V 5A VFA Slimline", Octopart=https://octopart.com/0466005.nr-littelfuse-143206, RoHS=TRUE, Voltage Rating=32V
J1 J2: library part CMP-002-00076-2, "Headers & Wire Housings .050 Tiger Eye High-Reliability Locking Socket Strip"
J3 J4: library part CMP-002-00077-1, "Conn Shrouded Header (4 Sides) HDR 20 POS 1.27mm Solder ST Top Entry SMD TIGER EYE™ Tube"
L1 L2: library part CMP-14484-000406-1, "SMD Power Inductors 10uH ±20% 1.9A 84.5mΩ", Case/Package=2424, Current Rating=1.9A, DC Resistance (DCR)=84.5mR, Inductance=10uH, Inductance Tolerance=20%, Max Operating Temperature=120°C, Min Operating Temperature=-25°C, Package Quantity=2000, Resistor Type=Wirewound, Self Resonant Frequency=20MHz, Test Frequency=100kHz, Core Material=Ferrite, Halogen Free="Halogen Free", Height=2.8mm, Height - Seated (Max)=0.11inch, Lead Free="Lead Free", Length=0.236inch, Max DC Current=1.9A, Mount="Surface Mount", Number of Pins=2, Packaging="Tape and Reel", RMS Current (Irms)=1.9A, RoHS Compliant=Yes, Saturation Current=1.9A, Series=NR, Shielding=Shielded, Termination=SMD/SMT, Tolerance=20%, Width=6mm
L3: library part CMP-14484-001052-1, "Inductor Power Shielded Wirewound 3.3uH 20% 100KHz Ferrite 3A 39mΩ DCR T/R", Case/Package=5030, Current Rating=3A, DC Resistance (DCR)=30mR, Inductance=3.3uH, Max DC Current=3.6A, Max Operating Temperature=125°C, Min Operating Temperature=-25°C, Package Quantity=1, Self Resonant Frequency=36MHz, Test Frequency=100kHz, Tolerance=20%, Core Material=Ferrite, Depth=4.9mm, Halogen Free="Halogen Free", Height=3mm, Height - Seated (Max)=0.122inch, Length=4.9mm, Mount="Surface Mount", Packaging="Tape and Reel", Radiation Hardening=No, RoHS Compliant=Yes, Saturation Current=3.6A, Shielding=Shielded, Termination=SMD/SMT, Width=0.193inch
L4: library part CMP-06042-002684-1, "Shielded Wirewound Inductor 3.9uH 30% 4200mA 0.0264Ω SMD", Case/Package=Nonstandard, Current Rating=4.2A, DC Resistance (DCR)=26.4mR, Inductance=3.9uH, Max Operating Temperature=85°C, Min Operating Temperature=-40°C, Resistor Type=Wirewound, Saturation Current=4.7A, Test Frequency=100kHz, Tolerance=30%, Core Material=Ferrite, Height - Seated (Max)=0.177inch, Length=0.248inch, Mount="Surface Mount", Packaging="Tape and Reel", Shielding=Shielded, Width=0.248inch
P1: library part CMP-2000-05238-1, "Male Header, Pitch 1.25 mm, 1 x 4 Position, Height 3.4 mm, -40 to 85 degC, RoHS, Tape and Reel", Current Rating=1A, Manufacturer=Molex, Package Description="1.25mm Pitch PicoBlade(TM) Header, Surface Mount, Right Angle, Lead-Free, 4 Circuits", Voltage Rating=125V, Brand=Molex, Contact Material=PhosphorBronze, Contact Plating=Tin, Datasheet URL=http://www.molex.com/pdm_docs/sd/532610471_sd.pdf, Datasheet Version="Rev. G, 01/2012", Factory Pack Quantity=1000, Housing Material=Thermoplastic, Manufacturer URL=http://www.molex.com/, Mounting Angle=Right, Mounting Style=SMD/SMT, Number of Positions=4, Number of Positions / Contacts=4, Number Of Rows=1, Packaging=Reel, Pitch=1.25mm, Product Category=Headers&WireHousings, Product Type=Headers, RoHS=Details, Series=53261, Termination Style=SMD, Tradename=PicoBlade, Type=Shrouded
P2: library part CMP-002-00079-1, "Conn Shrouded Header (4 Sides) HDR 6 POS 1.25mm Solder RA Side Entry SMD PicoBlade™ T/R"
Q1 Q2 Q3 Q4 Q7 Q8 Q10 Q11: library part CMP-013-00036-1, "Trans MOSFET P-CH 20V 22.1A 8-Pin PowerPAK 1212 EP T/R"
Q5 Q6 Q9: library part CMP-2000-05968-1, "N-Channel Enhancement Mode Mosfet, 50 V, 200 mA, -55 to 150 degC, 6-Pin SOT-323, RoHS, Tape and Reel", Id - Continuous Drain Current=200mA, Manufacturer=DiodesIncorporated, Maximum Operating Temperature=+150C, Minimum Operating Temperature=-55C, Package / Case=SOT-323-3, Package Description="3-Pin Small Outline Transistor, Body 2 x 1.25 mm, Pitch 0.65 mm", Package Reference=SOT323, Pd - Power Dissipation=200mW, Rds On - Drain-Source Resistance=1.4Ohms, Vds - Drain-Source Breakdown Voltage=75V, Vgs - Gate-Source Voltage=20V, Brand=DiodesIncorporated, Channel Mode=Enhancement, Configuration=Single, Datasheet URL=http://www.diodes.com/_files/datasheets/ds30206.pdf, Datasheet Version="Rev. 11-2, 09/2013", Factory Pack Quantity=3000, Forward Transconductance - Min=0.1S, Height=1mm, Length=2.2mm, Manufacturer URL=http://www.diodes.com/, Mounting Style=SMD/SMT, Mounting Technology=SurfaceMount, Number of Channels=1Channel, Packaging=Reel, Product=MOSFETSmallSignal, Product Category=MOSFET, RoHS=True, Series=BSS138, Technology=Si, Transistor Polarity=N-Channel, Transistor Type=1N-Channel, Type=EnhancementModeFieldEffectTransistor, Typical Turn-Off Delay Time=20ns, Typical Turn-On Delay Time=20ns, Unit Weight=0.000212oz, Width=1.35mm
R1 R3 R25 R27 R62 R64: library part CMP-2000-00435-2, "Chip Resistor, 330 Ohm, +/- 1%, 0.1 W, -55 to 155 degC, 0603 (1608 Metric), RoHS, Tape and Reel", Current Rating="500 mA", Max Operating Temperature="85 degC", Min Operating Temperature="-25 degC", Package Quantity=1500, Voltage Rating="10 V", ComponentLink1Description="Manufacturer URL", ComponentLink1URL=http://www.panasonic.com/, ComponentLink2Description=Datasheet, ComponentLink2URL=http://industrial.panasonic.com/cdbs/www-data/pdf/RDA0000/AOA0000C86.pdf, Contact Finish=Gold, Contact Material=Copper, Contact Plating=Gold, DatasheetVersion=Apr-15, Gender=Male, Height="1.45 mm", Lead Pitch="1.1 mm", Length="13.7 mm", Mating Cycles=10000, Mount="Surface Mount", PackageDescription="2-Pin Surface Mount Device, Body 1.6 x 0.85 mm", PackageReference=0603, Packaging="Tape and Reel", Pins=8, REACH SVHC="No SVHC", RoHSCompliant=true, Width="1.45 mm"
R2 R5 R6 R7 R10 R12 R13 R16 R17 R18 R19 R20 R26 R29 R30 R31 R32 R33 R35 R36 R37 R38 R39 R41 R43 R44 R45 R46 R48 R49 R50 R51 R52 R54 R56 R59 R61 R63 R65 R66 R67: library part CMP-1012-00623-3, "Chip Resistor, 10 KOhm, +/- 1%, 0.1 W, -55 to 155 degC, 0603 (1608 Metric), RoHS, Tape and Reel", Case Code (Imperial)=0603, Case Code (Metric)=1608, Manufacturer=Panasonic, Max Operating Temperature=155degC, Max Power Dissipation=100mW, Min Operating Temperature=-55degC, Package Description="2-Pin Surface Mount Device, Body 1.6 x 0.85 mm", Package Quantity=1, Package Reference=603, Resistance=10KOhm, Temperature Coefficient=100ppm\/degreesC, Tolerance=1%, Voltage Rating=75V, Case\/Package=0603, Composition=ThickFilm, Contact Plating=Tin, Datasheet URL=https://industrial.panasonic.com/cdbs/www-data/pdf/RDA0000/AOA0000C304.pdf, Datasheet Version=02/2017, Depth=0.8mm, Height=0.45mm, Lead Free=LeadFree, Length=1.6mm, Manufacturer URL=http://www.panasonic.com/, Military Standard=Not, Mount=SurfaceMount, Mounting Technology=SurfaceMount, Number of Pins=2, Number of Terminations=2, Packaging=TapeandReel, Power Rating=100mW, Radiation Hardening=No, REACH SVHC=NoSVHC, RoHSCompliant=true, Termination=SMD/SMT, Voltage Rating (DC)=75V, Width=0.031inch
R4 R9: library part CMP-05422-000098-1, "RES 0.1 OHM 1% 1/2W 0805", Case Code (Imperial)=0805, Case Code (Metric)=2012, Max Operating Temperature=155°C, Max Power Dissipation=500mW, Min Operating Temperature=-55°C, Resistance=100mR, Resistor Type="Thick Film", Temperature Coefficient=150ppm/°C, Tolerance=1%, Case/Package=0805, Features="Automotive AEC-Q200", Height=0.028inch, Length=0.079inch, Number of Terminations=2, Packaging="Cut Tape", Width=0.049inch
R8 R11: library part CMP-2000-00925-1, "NOT PANASONIC, THIS IS A 1M RESISTORhttps://www.yageo.com/upload/media/product/productsearch/datasheet/rchip/PYu-RT_1-to-0.01_RoHS_L_13.pdf", Manufacturer=Panasonic, Part Number=ERA-3AEB163V
R14 R15: library part CMP-2000-00182-1, Manufacturer=Panasonic, Part Number=ERJ-3EKF1003V
R21 R22: library part CMP-2000-00213-2, "Chip Resistor, 120 Ohm, +/- 1%, 0.1 W, -55 to 155 degC, 0603 (1608 Metric), RoHS, Tape and Reel", Case Code (Imperial)=0603, Case Code (Metric)=1608, Manufacturer=Panasonic, Max Operating Temperature=155degC, Max Power Dissipation=100mW, Min Operating Temperature=-55degC, Package Description="2-Pin Surface Mount Device, Body 1.6 x 0.85 mm", Package Quantity=1, Resistance=120Ohm, Temperature Coefficient=100ppm/degreesC, Tolerance=1%, Voltage Rating=75V, Case/Package=0603, Composition=ThickFilm, Contact Plating=Tin, Datasheet URL=https://industrial.panasonic.com/cdbs/www-data/pdf/RDA0000/AOA0000C283.pdf, Datasheet Version=42095.0, Depth=0.8mm, Height=0.022inch, Lead Free=LeadFree, Length=1.6mm, Manufacturer URL=http://www.panasonic.com/, Military Standard=Not, Mount=SurfaceMount, Number of Pins=2, Number of Terminations=2, Package Reference=0603, Package URL=http://www.st.com/st-web-ui/static/active/en/resource/technical/document/datasheet/CD00001320.pdf, Packaging=TapeandReel, Power Rating=100mW, Radiation Hardening=No, REACH SVHC=NoSVHC, RoHSCompliant=true, Termination=SMD/SMT, Voltage Rating (DC)=75V, Width=0.031inch
R23 R24 R28: library part CMP-2000-03446-2, "RES Thick Film, 51Ω, 1%, 0.1W, 100ppm/°C, 0603", Case Code (Imperial)=0603, Case Code (Metric)=1608, Max Operating Temperature=155°C, Max Power Dissipation=100mW, Min Operating Temperature=-55°C, Package Quantity=10, Resistance=51R, Temperature Coefficient=100ppm/°C, Tolerance=1%, Voltage Rating=75V, Case/Package=0603, Composition="Thick Film", Contact Plating=Tin, Depth=0.85mm, Features="Automotive AEC-Q200", Height=0.45mm, Lead Free="Lead Free", Length=1.55mm, Military Standard=Not, Number of Pins=2, Number of Terminations=2, Packaging="Tape and Reel", Power Rating=100mW, Radiation Hardening=No, Termination=SMD/SMT, Voltage Rating (DC)=75V, Weight=7.1E-05oz, Width=0.85mm, Working Voltage=75V
R34 R42 R47 R55: library part CMP-2000-00180-1, Manufacturer=Panasonic, Part Number=ERJ-3EKF1001V
R40 R53: library part CMP-2000-00475-1, Manufacturer=Panasonic, Part Number=ERJ3EKF3901V
R57: library part CMP-2000-00246-1, Manufacturer=Panasonic, Part Number=ERJ-3EKF1401V
R58: library part CMP-009-00188-1, "Resistor Thick Film 0603 100K Ohm 1% 1/10W 100ppm/C Molded SMD Punched Carrier T/R"
R60: library part CMP-2000-00370-1, Manufacturer=Panasonic, Part Number=ERJ-3EKF2492V